# KiCad board V1.1.kicad_pcb
date: 2023-04-19; rev: 1.6.1; company: Antmicro Ltd; note: www.antmicro.com
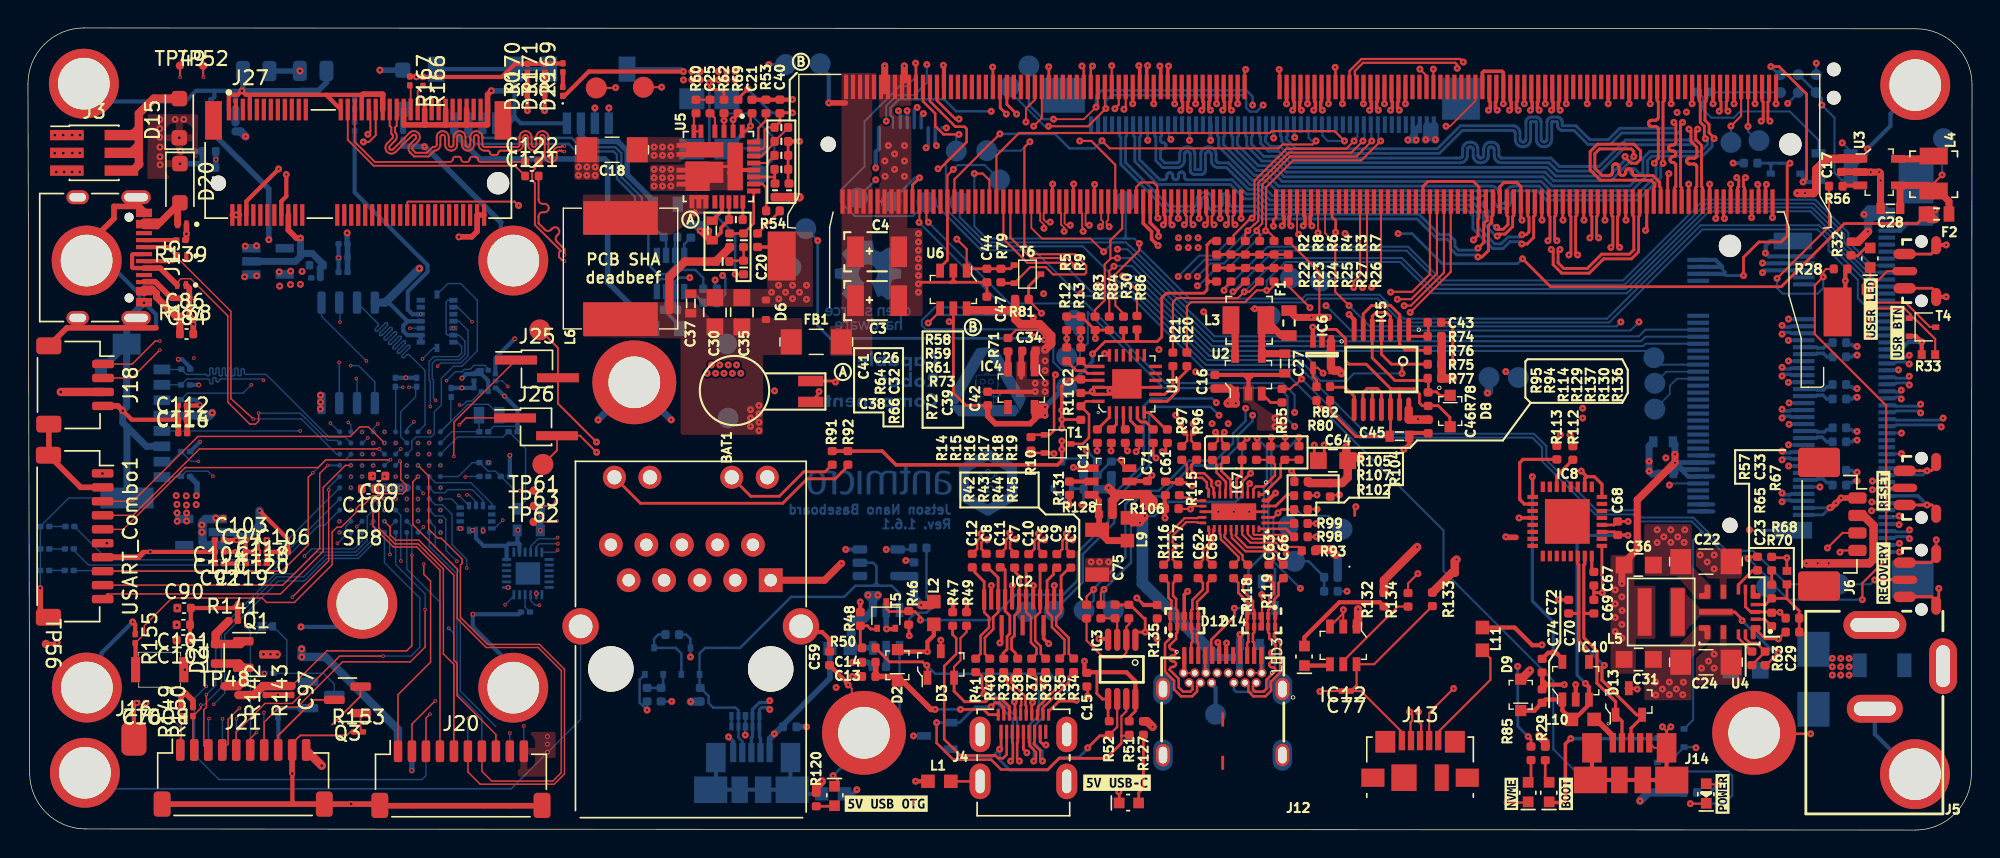
[diagram p0: board, top side]
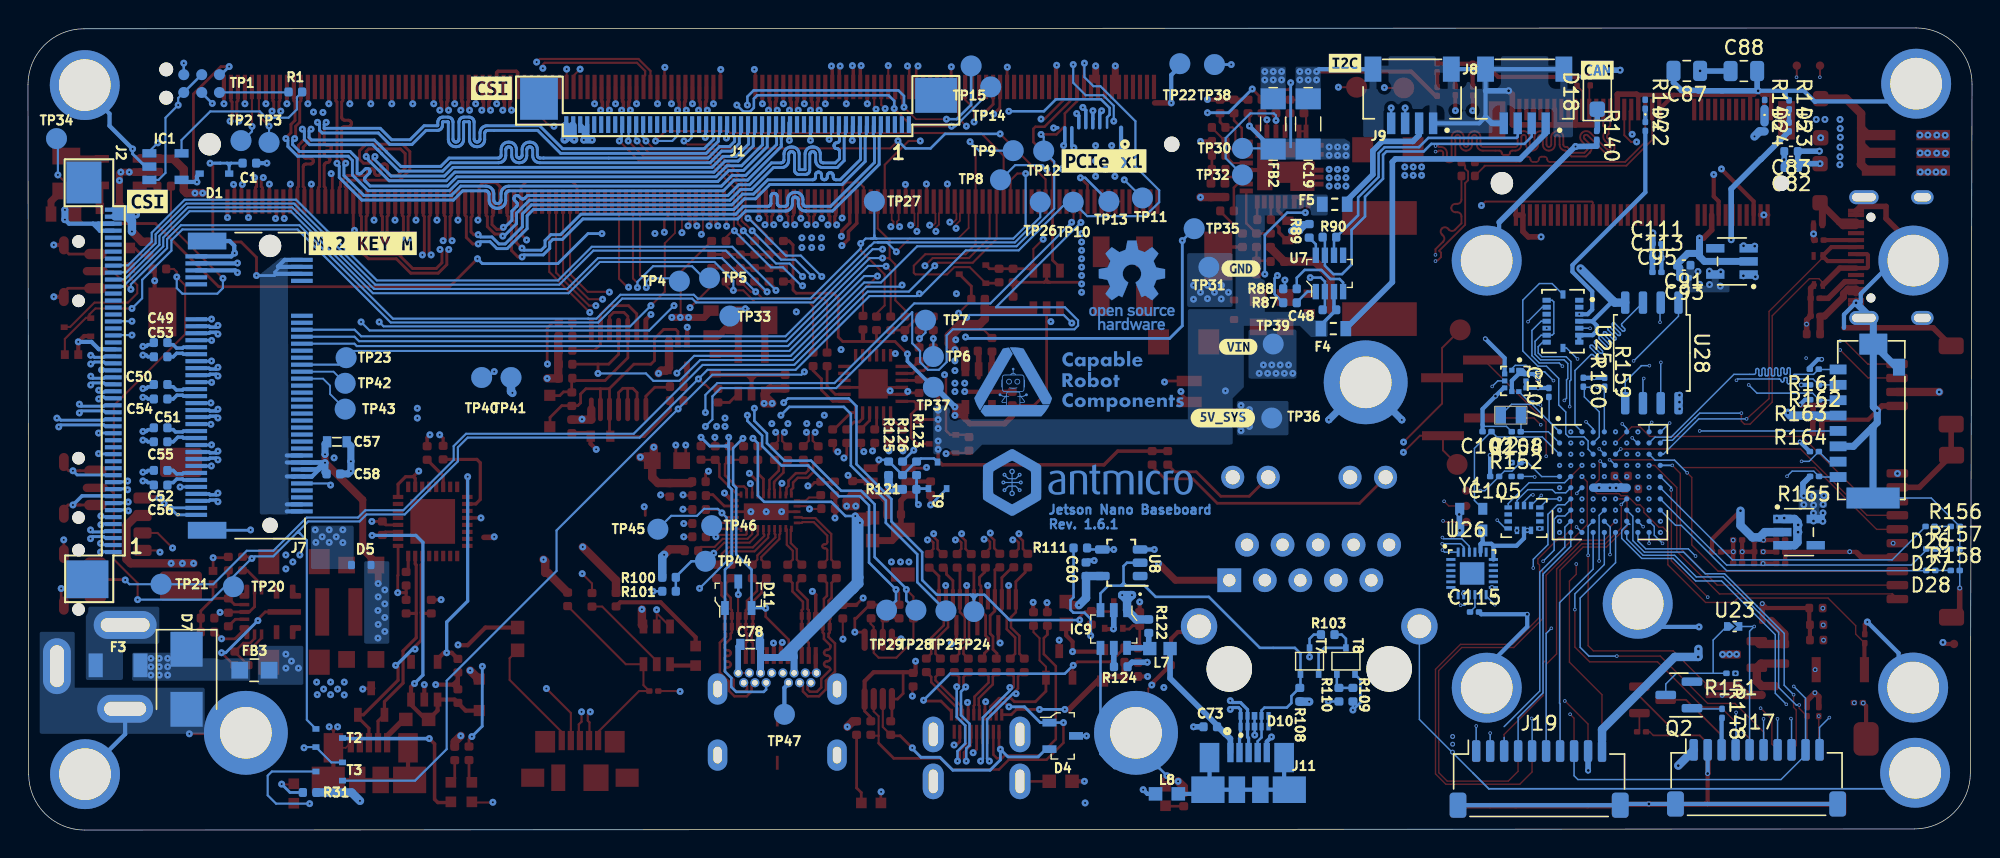
[diagram p1: board, bottom side, seen from below]

Outline 139.01 x 57.41 mm; copper layers: Top, In1.Cu (plane), In2.Cu (plane), In3_SIGNAL.Cu, In4_GND.Cu (plane), In5_3V3_SYS_SIGNAL.Cu, In6_GND.Cu (plane), Bottom. Coordinates in mm from the lower left corner of the outline.
Outline path: 0,53.39 0.12,4.08 arc(1.29,1.25) 4.12,0.08 134.96,0 arc(137.79,1.17) 138.96,4 139.01,53.35 arc(137.84,56.18) 135.01,57.35 4,57.41 arc(1.16,56.23) 0,53.39
Stack: Top 0.035mm / dielectric 0.1857mm FR4 er 4.5 / In1.Cu 0.035mm / dielectric 0.1857mm FR4 er 4.5 / In2.Cu 0.035mm / dielectric 0.1857mm FR4 er 4.5 / In3_SIGNAL.Cu 0.035mm / dielectric 0.1857mm FR4 er 4.5 / In4_GND.Cu 0.035mm / dielectric 0.1857mm FR4 er 4.5 / In5_3V3_SYS_SIGNAL.Cu 0.035mm / dielectric 0.1857mm FR4 er 4.5 / In6_GND.Cu 0.035mm / dielectric 0.1857mm FR4 er 4.5 / Bottom 0.035mm

## Placement (name value [footprint] x y rotation side)
BAT1  -  [MS621FE-FL11E]  55.97 31.39 90 top
BOOT1  ~  [LED0603]  108.77 2.67 90 top
BOOT2  TD-1183SN-1.5H(3x2.5)  [3x2.5PushButton]  9.42 11.48 180 top
C1  C_100n_0402  [0402-cap]  123.18 47.73 0 bottom
C2  C_100n_0402  [0402-cap]  75.29 31.77 270 top
C3  C_330u_KEMET_B  [KEMET_B]  59.17 37.89 0 top
C4  C_330u_KEMET_B  [KEMET_B]  59.17 41.39 0 top
C5  C_100n_0402  [0402-cap]  74.57 19.27 270 top
C6  C_100n_0402  [0402-cap]  72.57 19.27 270 top
C7  C_100n_0402  [0402-cap]  70.55 19.27 270 top
C8  C_100n_0402  [0402-cap]  68.52 19.29 270 top
C9  C_100n_0402  [0402-cap]  73.57 19.27 270 top
C10  C_100n_0402  [0402-cap]  71.56 19.27 270 top
C11  C_100n_0402  [0402-cap]  69.52 19.29 270 top
C12  C_100n_0402  [0402-cap]  67.52 19.29 270 top
C13  C_4u7_0402  [0402-cap]  60.12 10.99 0 top
C14  C_4u7_0402  [0402-cap]  60.12 12.01 0 top
C15  C_100n_0402  [0402-cap]  75.72 10.76 90 top
C16  C_2u2_0402  [0402-cap]  84.87 32.09 90 top
C17  C_2u2_0402  [0402-cap]  129.67 47.59 270 top
C18  C_10u_1206_50V  [1206-cap]  41.77 48.69 180 top
C19  C_10u_1206_50V  [1206-cap]  47.47 50.54 90 bottom
C20  C_270p_25V_0402  [0402-res]  52.17 42.21 90 top
C21  C_100n_0402_50V  [0402-cap]  51.77 51.79 90 top
C22  C_10u_1206_50V  [1206-cap]  119.98 19.21 180 top
C23  C_1u_0402  [0402-cap]  124.68 15.07 90 top
C24  C_10u_1206_50V  [1206-cap]  119.98 12.01 180 top
C25  C_100n_0402  [0402-cap]  48.77 51.79 90 top
C26  C_33n_0402  [0402-cap]  50.62 43.69 180 top
C27  C_10u_0603  [0603-cap]  89.87 33.39 270 top
C28  C_10u_0603  [0603-cap]  133.17 44.49 180 top
C29  C_100n_0402  [0402-cap]  124.22 12.29 90 top
C30  C_47u_0805  [0805-cap]  49.12 37.06 90 top
C31  C_10u_0805  [0805-cap]  115.18 12.21 0 top
C32  C_1n2_50V_0402  [0402-res]  51.17 42.21 90 top
C33  C_6p_0402  [0402-cap]  124.68 19.07 270 top
C34  C_2u2_0402  [0402-cap]  71.58 34.28 180 top
C35  C_47u_0805  [0805-cap]  51.04 37.06 90 top
C36  C_47u_0805  [0805-cap]  115.18 18.97 0 top
C37  C_10u_0603  [0603-cap]  47.39 37.69 90 top
C38  C_1n2_50V_0402  [0402-res]  49.67 40.69 0 top
C39  C_100n_0402  [0402-cap]  54.42 45.79 270 top
C40  C_1u_0402  [0402-cap]  53.77 51.79 90 top
C41  C_4u7_0603  [0603-cap]  48.92 42.91 270 top
C42  C_1u_0402  [0402-cap]  68.63 30.88 90 top
C43  C_47n_0402  [0402-cap]  100.57 36.34 180 top
C44  C_100n_0402  [0402-cap]  68.57 39.69 90 top
C45  C_10u_0603  [0603-cap]  98.07 28.19 180 top
C46  C_100n_0402  [0402-cap]  100.12 28.89 90 top
C47  C_100n_0402  [0402-cap]  68.57 37.69 270 top
C48  C_100n_0402  [0402-cap]  45.95 37.24 180 bottom
C49  C_100n_0402  [0402-cap]  129.53 34.89 0 bottom
C50  C_100n_0402  [0402-cap]  129.53 31.89 0 bottom
C51  C_100n_0402  [0402-cap]  129.53 28.79 0 bottom
C52  C_100n_0402  [0402-cap]  129.53 25.74 0 bottom
C53  C_100n_0402  [0402-cap]  129.53 33.87 0 bottom
C54  C_100n_0402  [0402-cap]  129.53 30.85 0 bottom
C55  C_100n_0402  [0402-cap]  129.53 27.79 0 bottom
C56  C_100n_0402  [0402-cap]  129.53 24.69 0 bottom
C57  C_10u_0603  [0603-cap]  116.92 27.79 0 bottom
C58  C_100n_0402  [0402-cap]  117.17 25.49 0 bottom
C59  C_100p_0402  [0402-cap]  57.32 12.29 270 top
C60  C_100n_0402  [0402-cap]  63.35 18.67 270 bottom
C61  C_100n_0402  [0402-cap]  81.33 24.45 270 top
C62  C_100n_0402  [0402-cap]  83.67 18.51 90 top
C63  C_100n_0402  [0402-cap]  88.73 18.51 90 top
C64  C_47u_0805  [0805-cap]  93.32 26.44 0 top
C65  C_100n_0402  [0402-cap]  84.68 18.51 90 top
C66  C_100n_0402  [0402-cap]  89.77 18.51 90 top
C67  C_100n_0402  [0402-cap]  111.97 17.99 90 top
C68  C_100n_0402  [0402-cap]  113.67 21.6 270 top
C69  C_47p_0402  [0402-cap]  111.97 15.99 270 top
C70  C_47p_0402  [0402-cap]  110.17 15.99 270 top
C71  C_10u_0402  [0402-cap]  80.04 24.49 90 top
C72  C_1u_0402  [0402-cap]  108.27 11.76 90 top
C73  C_4u7_0402  [0402-cap]  54.47 7.39 180 bottom
C74  C_2u2_0402  [0402-cap]  108.27 9.59 270 top
C75  100u  [1206]  76.45 19.89 90 top
C76  1u  [C_0201_0603Metric]  8.13 9.12 180 top
C77  120u  [C_0201_0603Metric]  94.26 9.95 180 top
C78  C_10u_0603  [0603-cap]  87.37 13.29 180 bottom
C82  1uF(0402 16V 10%)  [C_0402_1005Metric]  12.93 47.41 0 bottom
C83  1uF(0402 16V 10%)  [C_0402_1005Metric]  12.94 48.57 0 bottom
C84  1uF(0402 16V 10%)  [C_0402_1005Metric]  11.34 35.51 0 top
C86  100nF(0201 16V 10%)  [C_0201_0603Metric]  11.22 36.79 0 top
C87  22uF(0805 35V 20%)  [C_0805_2012Metric]  20.4 54.34 0 bottom
C88  22uF(0805 35V 20%)  [C_0805_2012Metric]  16.32 54.33 180 bottom
C90  1uF(0402 10V 10%)  [C_0402_1005Metric]  11.16 15.89 0 top
C91  1uF(0402 10V 10%)  [C_0402_1005Metric]  20.61 40.43 0 bottom
C92  100nF(0201 10V 10%)  [C_0201_0603Metric]  13.68 19.08 180 top
C93  100nF(0201 10V 10%)  [C_0201_0603Metric]  20.58 39.52 0 bottom
C94  100nF(0201 10V 10%)  [C_0201_0603Metric]  15.25 19.92 0 top
C95  100nF(0201 10V 10%)  [C_0201_0603Metric]  22.53 39.92 180 bottom
C97  100nF(0201 10.0V 10%)  [C_0201_0603Metric]  18.85 9.99 270 top
C99  2.2uF(0402 6.3V 10%)  [C_0402_1005Metric]  25.08 25.34 180 top
C100  2.2uF(0402 6.3V 10%)  [C_0402_1005Metric]  24.35 24.42 180 top
C101  4.7uF(0402 10V)  [C_0402_1005Metric]  11.11 14.69 180 top
C102  15pF(0201 10V)  [C_0201_0603Metric]  34.68 28.52 0 bottom
C103  100nF(0201 6.3V)  [C_0201_0603Metric]  15.24 20.75 0 top
C104  1uF(0201 6.3V)  [C_0201_0603Metric]  13.68 20.76 180 top
C105  100nF(0201 10V 10%)  [C_0201_0603Metric]  34.14 25.31 0 bottom
C106  100nF(0201 10V 10%)  [C_0201_0603Metric]  18.27 19.91 0 top
C107  12.0pF(0201 10V)  [C_0201_0603Metric]  30.26 31.32 90 bottom
C108  12.0pF(0201 10V)  [C_0201_0603Metric]  32.59 28.51 0 bottom
C109  2.2uF(0402 6.3V 10%)  [C_0402_1005Metric]  11.11 13.6 180 top
C110  10nF(0201 10V 10%)  [C_0201_0603Metric]  13.68 19.91 180 top
C111  100nF(0201 10V 10%)  [C_0201_0603Metric]  22.53 41.96 180 bottom
C112  100nF(0201 10V 10%)  [C_0201_0603Metric]  11.04 29.37 0 top
C113  100nF(0201 10V 10%)  [C_0201_0603Metric]  22.53 40.94 180 bottom
C114  100nF(0201 10V 10%)  [C_0201_0603Metric]  11.07 28.38 0 top
C115  100nF(0201 10V 10%)  [C_0201_0603Metric]  35.58 15.61 180 bottom
C116  100.0nF(0201 10V)  [C_0201_0603Metric]  11.04 30.39 180 top
C117  100nF(0201 10V)  [C_0201_0603Metric]  16.76 19.09 0 top
C118  100.0nF(0201 10V)  [C_0201_0603Metric]  16.76 20.76 180 top
C119  100nF(0201 10V 10%)  [C_0201_0603Metric]  15.26 19.08 180 top
C120  100nF(0201 10V)  [C_0201_0603Metric]  16.76 19.91 180 top
C121  100n  [C_0402_1005Metric]  36.03 46.82 0 top
C122  100n  [C_0402_1005Metric]  36.03 47.82 0 top
D1  diode  [SOD-323#2]  125.68 46.98 180 bottom
D2  1N4148WS  [SOD-323]  62.17 11.79 90 top
D3  PESD2USB5UV-TR  [SOT-23s]  65.27 11.86 90 top
D4  PESD2USB5UV-TR  [SOT-23s]  65.02 6.74 180 bottom
D5  ESD5B5_0ST1G  [SOD-523_NP]  115.18 18.97 180 bottom
D6  ESD5B5_0ST1G  [SOD-523_NP]  52.77 37.24 270 top
D7  SMBJ33A  [D_SMB]  127.67 10.79 270 bottom
D8  1N4148WS  [SOD-323]  101.69 29.99 270 top
D9  1N4148WS  [SOD-323]  106.74 9.68 90 top
D10  -  [TPD4E05U06_PASS]  51.3 7.79 180 bottom
D11  PESD2USB5UV-TR  [SOT-23s]  88.22 16.84 90 bottom
D12  -  [TPD4E05U06_PASS]  82.68 14.94 0 top
D13  PESD2USB5UV-TR  [SOT-23s]  114.47 9.2 90 top
D14  -  [TPD4E05U06_PASS]  88.18 14.94 180 top
D15  DSS34(3A 500mV)  [D_SOD-123F]  10.82 50.95 90 top
D16  PESD12VV1BL  [PESD12VV1BL_315]  11.02 43.36 180 top
D17  -  [PESD5V0F1BL]  11.01 41.09 180 top
D18  SMF30CA(30V)  [D_SOD-123F]  26.8 52.99 90 bottom
D19  -  [PESD5V0F1BL]  10.98 39.01 180 top
D20  DSS34(3A 500mV)  [D_SOD-123F]  10.87 46.3 270 top
D21  BZX584C9V1  [D_SOD-523]  13.43 12.62 90 top
D22  LED_Blue(0201)  [LED_0201_0603Metric]  23.36 50.36 270 bottom
D23  LED_Blue(0201)  [LED_0201_0603Metric]  13.09 50.33 270 bottom
D24  LED_Blue(0201)  [LED_0201_0603Metric]  14.84 50.33 270 bottom
D26  LED_RED(0201)  [LED_0201_0603Metric]  3 21.73 0 bottom
D27  LED_BLUE(0201)  [LED_0201_0603Metric]  2.96 20.12 0 bottom
D28  LED_Green(0201)  [LED_0201_0603Metric]  2.95 18.58 0 bottom
D29  PWR LED  [LED_0201_0603Metric]  38.24 52.87 90 top
D30  LED  [LED_0201_0603Metric]  35.7 52.9 90 top
D31  LED  [LED_0201_0603Metric]  36.95 52.91 90 top
F1  04671.25NR  [0603-Fuse-Littelfuse-0467]  90.17 36.29 90 top
F2  04671.25NR  [0603-Fuse-Littelfuse-0467]  136.47 44.09 0 top
F3  3413_0329_22  [1206]  132.57 11.79 180 bottom
F4  04671.25NR  [0603-Fuse-Littelfuse-0467]  45.67 35.89 180 bottom
F5  04671.25NR  [0603-Fuse-Littelfuse-0467]  45.57 44.79 180 bottom
FB1  74279221100  [1206-res]  56.37 34.94 0 top
FB2  74279221100  [1206-res]  49.97 50.54 270 bottom
FB3  74279220181  [0805-res]  122.82 11.44 180 bottom
IC1  AT24CS01-ST  [SOT23-5]  129.18 47.48 180 bottom
IC2  ~  [SON-15]  71.12 15.58 180 top
IC3  PCA9517ADP  [MSOP-8]  78.21 11.5 270 top
IC4  TPS7A0518PDBVT  [SOT-23-5]  71.03 31.63 180 top
IC5  74HC00PW  [TSSOP-14]  96.78 32.96 270 top
IC6  SN74LVC1G126DCKR  [R-PDSO-G5]  92.54 34.03 270 top
IC7  HD3SS3220  [RNH0030A]  86.22 22.78 270 top
IC8  ~  [QFN-32]  110.07 22.09 0 top
IC9  NCP380LSNAJAAT1G  [SOT-23-6]  61.37 14.39 0 bottom
IC10  TPS7A0518PDBVT  [SOT-23-5]  110.67 10.69 0 top
IC11  NCP380LSNAJAAT1G  [SOT-23-6]  77.4 24.95 90 top
IC12  NCP380LSNAJAAT1G  [SOT-23-6]  94.05 13.22 180 top
J1  WE_68715014522  [WE_68715014522_ONE-SIDE]  88.27 49.89 0 bottom
J2  -  [WE_68715014022]  133.57 32.79 90 bottom
J3  Conn_02x03_Odd_Even  [PinHeader_2x03_P1.27mm_Vertical_SMD]  4.73 48.47 0 top
J4  46756-1001  [HDMI_Micro-D_Molex_46765-1x01]  71.18 3.48 0 top
J5  -  [DC_SOCKET]  132.06 0.98 0 top
J6  533980471  [Molex_PicoBlade_53398-0471_1x04-1MP_P1.25mm_Vertical]  129.57 21.89 270 top
J7  ~  [MDT580M01001]  123.2 31.81 0 bottom
J8  -  [SM04B-SRSS-TB-LF-SN]  31.99 50.59 0 bottom
J9  -  [SM04B-SRSS-TB-LF-SN]  40.04 50.59 0 bottom
J10  -  [SI-51005-F]  47.39 18.39 0 top
J11  ~  [CON-Molex-047346-0001]  51.73 4.28 180 bottom
J12  632723300011  [WE_632723300011]  85.43 6.86 0 top
J13  USB_A  [USB_Micro-B_Molex_47346-0001]  99.54 4.94 0 top
J14  ~  [CON-Molex-047346-0001]  114.63 4.98 0 top
J15  USB_C_Receptacle_USB2.0  [USB_C_Small]  4.63 40.97 270 top
J16  GND  [Conn_1pin_Power]  7.55 6.52 0 top
J17  UART_Combo  [01x10_MP_sh1.0_Hori]  15.41 3.74 180 bottom
J18  Upper computer connector  [01x04_MP_sh1.0_Hori]  3.37 31.86 270 top
J19  ESC  [01x10_MP_sh1.0_Hori]  30.96 3.66 180 bottom
J20  ESC  [01x10_MP_sh1.0_Hori]  30.96 3.64 0 top
J21  ESC  [01x10_MP_sh1.0_Hori]  15.39 3.73 0 top
J23  Micro_SD_Card  [TF-SMD_TF-021B-H265]  6.66 28.89 270 bottom
J25  Conn_01x02_Pin  [PinHeader_1x02_P1.27mm_Vertical_SMD_Pin1Left]  36.4 33.01 0 top
J26  Conn_01x02_Pin  [PinHeader_1x02_P1.27mm_Vertical_SMD_Pin1Left]  36.33 28.86 0 top
J27  Bus_M.2_Socket_E  [TE_2199119-4]  23.62 46.3 0 top
kibuzzard-63D93AC1  G***  [kibuzzard-63D93AC1]  130.47 44.99 180 bottom
kibuzzard-63D93AC1#2  G***  [kibuzzard-63D93AC1]  105.87 53.09 180 bottom
kibuzzard-63D93ADB  G***  [kibuzzard-63D93ADB]  62.07 47.89 180 bottom
kibuzzard-63D93AF6  G***  [kibuzzard-63D93AF6]  26.8 54.39 180 bottom
kibuzzard-63D93B6A  G***  [kibuzzard-63D93B6A]  52.47 34.59 180 bottom
kibuzzard-63D93B07  G***  [kibuzzard-63D93B07]  44.84 54.89 180 bottom
kibuzzard-63D93B47  G***  [kibuzzard-63D93B47]  52.27 40.19 180 bottom
kibuzzard-63D93B77  G***  [kibuzzard-63D93B77]  53.57 29.49 180 bottom
kibuzzard-63D93BB4  G***  [kibuzzard-63D93BB4]  115.07 41.99 180 bottom
kibuzzard-63D93C4B  G***  [kibuzzard-63D93C4B]  77.87 3.39 0 top
kibuzzard-63D93C7A  G***  [kibuzzard-63D93C7A]  106.07 2.59 90 top
kibuzzard-63D93C36  G***  [kibuzzard-63D93C36]  61.37 1.89 0 top
kibuzzard-63D93C97  G***  [kibuzzard-63D93C97]  109.97 2.59 90 top
kibuzzard-63D93CC5  G***  [kibuzzard-63D93CC5]  121.17 2.59 90 top
kibuzzard-63D93CF4  G***  [kibuzzard-63D93CF4]  131.77 37.29 90 top
kibuzzard-63D93D1C  G***  [kibuzzard-63D93D1C]  132.67 24.29 90 top
kibuzzard-63D93D10  G***  [kibuzzard-63D93D10]  133.67 35.59 90 top
kibuzzard-63D93D33  G***  [kibuzzard-63D93D33]  132.67 18.39 90 top
L1  BLM18SG121TN1D  [0603]  65.17 3.49 0 top
L2  BLM18SG121TN1D  [0603]  64.77 15.54 270 top
L3  -  [LQH32PN2R2NN0L]  87.27 36.49 0 top
L4  -  [LQH32PN2R2NN0L]  136.27 46.99 270 top
L5  XFL4020-222MEC  [XFL4015-122MEC]  116.78 15.61 0 top
L6  IHLP3232DZER3R3M01  [IHLP3232DZ]  42.37 40.19 270 top
L7  BLM18SG121TN1D  [0603#2]  58.07 12.99 180 bottom
L8  BLM18SG121TN1D  [0603]  57.57 2.59 180 bottom
L9  BLM18SG121TN1D  [0603]  78.62 21.53 90 top
L10  BLM18SG121TN1D  [0603]  111.18 7.92 180 top
L11  BLM18SG121TN1D  [0603]  104 13.68 270 top
LED1  ~  [LED0603]  57.67 2.49 270 top
LED2  ~  [LED0603]  78.67 1.94 0 top
LED3  ~  [LED0603]  91.27 12.42 90 top
M1  ~  [jetson-nano-connector]  123.42 7.08 0 top
M2  ~  [jetson-nano-module]  123.41 6.95 0 top
M2#2  ~  [jetson-nano-module]  123.41 6.95 0 top
N1  antmicro_logo  [antmicro-logo_scaled_15mm]  62.78 24.81 180 bottom
N2  crc_logo  [CRC_logo_15mm]  63.97 32.09 180 bottom
N3  oshw_logo  [oshw-logo]  60.07 38.99 180 bottom
NVME1  ~  [LED0603]  107.27 2.67 90 top
PWR1  ~  [LED0603]  120 2.57 90 top
Q1  AP40P05  [SOT-23]  16.33 12.57 0 top
Q2  SS8050(NPN BEC)  [SOT-23]  20.96 9.67 0 bottom
Q3  SS8050(NPN BEC)  [SOT-23]  22.85 9.32 180 top
R1  R_0R_0402  [0402-res]  119.89 52.83 0 bottom
R2  R_0R_0402  [0402-res]  84.99 41.67 90 top
R3  R_2k_0402  [0402-res]  89.1 41.67 90 top
R4  R_2k_0402  [0402-res]  88.07 41.67 90 top
R5  R_2k_0402  [0402-res]  74.27 36.26 270 top
R6  R_2k_0402  [0402-res]  87.04 41.67 90 top
R7  R_0R_0402  [0402-res]  90.12 41.67 90 top
R8  R_2k_0402  [0402-res]  86.02 41.67 90 top
R9  R_2k_0402  [0402-res]  75.29 36.26 270 top
R10  R_100k_0402  [0402-res]  71.72 27.64 90 top
R11  R_10k_0402  [0402-res]  75.29 29.85 90 top
R12  R_0R_0402  [0402-res]  74.27 34.05 90 top
R13  R_0R_0402  [0402-res]  75.29 34.05 90 top
R14  R_0R_0402  [0402-res]  76.46 28.19 90 top
R15  R_0R_0402  [0402-res]  77.46 28.19 90 top
R16  R_0R_0402  [0402-res]  78.46 28.19 90 top
R17  R_0R_0402  [0402-res]  79.46 28.19 90 top
R18  R_0R_0402  [0402-res]  80.46 28.19 90 top
R19  R_0R_0402  [0402-res]  81.47 28.19 90 top
R20  R_0R_0402  [0402-res]  82.87 33.69 270 top
R21  R_0R_0402  [0402-res]  81.87 33.69 270 top
R22  R_0R_0402  [0402-res]  84.99 39.74 270 top
R23  R_2k_0402  [0402-res]  86.02 39.74 270 top
R24  R_2k_0402  [0402-res]  87.05 39.74 270 top
R25  R_2k_0402  [0402-res]  88.07 39.74 270 top
R26  R_0R_0402  [0402-res]  90.12 39.74 270 top
R27  R_2k_0402  [0402-res]  89.1 39.74 270 top
R28  R_100k_0402  [0402-res]  129.61 40.16 0 top
R29  R_470R_0402  [0402-res]  108.49 5.48 90 top
R30  R_100k_0402  [0402-res]  78.34 36.26 90 top
R31  R_470R_0402  [0402-res]  118.87 2.69 180 bottom
R32  R_470R_0402  [0402-res]  130.36 41.62 90 top
R33  100k  [0402]  135.89 34.03 180 top
R34  R_5R6_0402  [0402-res]  74.77 11.79 270 top
R35  R_5R6_0402  [0402-res]  73.77 11.79 270 top
R36  R_5R6_0402  [0402-res]  72.77 11.78 270 top
R37  R_5R6_0402  [0402-res]  71.77 11.78 270 top
R38  R_5R6_0402  [0402-res]  70.77 11.78 270 top
R39  R_5R6_0402  [0402-res]  69.77 11.78 270 top
R40  R_5R6_0402  [0402-res]  68.77 11.78 270 top
R41  R_5R6_0402  [0402-res]  67.77 11.78 270 top
R42  R_0R_0402  [0402-res]  75.7 15.64 90 top
R43  R_0R_0402  [0402-res]  76.72 15.64 90 top
R44  R_2k_0402  [0402-res]  77.74 15.64 270 top
R45  R_2k_0402  [0402-res]  78.72 15.64 270 top
R46  R_2k_0402  [0402-res]  62.97 15.19 90 top
R47  R_0R_0402  [0402-res]  66.12 15.11 270 top
R48  R_2k_0402  [0402-res]  59.52 15.11 90 top
R49  R_2k_0402  [0402-res]  67.11 15.11 90 top
R50  R_0R_0402  [0402-res]  60.12 13.04 180 top
R51  R_2k_0402  [0402-res]  78.74 7.3 270 top
R52  R_2k_0402  [0402-res]  77.32 7.3 270 top
R53  R_2k_0402  [0402-res]  52.77 51.79 90 top
R54  R_316k_0402  [0402-res]  53.27 44.31 0 top
R55  R_10k_0402  [0402-res]  89.67 31.09 90 top
R56  R_10k_0402  [0402-res]  129.27 46.09 180 top
R57  R_10k_0402  [0402-res]  123.67 19.07 90 top
R58  R_0R_0402  [0402-res]  53.87 50.29 180 top
R59  R_60k4_1%_0402  [0402-res]  53.87 49.29 0 top
R60  R_3R3_0402  [0402-res]  47.77 51.79 270 top
R61  R_26k7_0402  [0402-res]  53.87 48.29 0 top
R62  R_100k_0402  [0402-res]  49.77 51.79 90 top
R63  R_100R_0402  [0402-res]  123.27 12.29 270 top
R64  R_0R_0402  [0402-res]  50.17 42.21 90 top
R65  R_1k_0402  [0402-res]  124.68 17.07 270 top
R66  R_8k66_1%_0402  [0402-res]  51.17 40.26 90 top
R67  R_100k_1%_0402  [0402]  125.78 18.07 270 top
R68  R_44k2_0402  [0402-res]  126.17 15.17 180 top
R69  R_100k_0402  [0402-res]  50.77 51.79 270 top
R70  R_0R_0402  [0402-res]  126.17 14.17 0 top
R71  R_0R_0402  [0402-res]  70.08 34.73 90 top
R72  R_52k3_0402  [0402-res]  53.42 45.79 90 top
R73  R_10k_0402  [0402-res]  53.87 47.29 0 top
R74  R_200k_0402  [0402-res]  100.57 35.34 0 top
R75  R_200k_0402  [0402-res]  100.57 33.34 0 top
R76  R_1k_0402  [0402-res]  100.57 34.34 180 top
R77  R_1k_0402  [0402-res]  100.57 32.34 180 top
R78  R_470k_0402  [0402-res]  100.12 30.84 270 top
R79  R_10k_0402  [0402-res]  69.57 39.69 270 top
R80  R_1k_0402  [0402-res]  92.62 30.74 0 top
R81  R_10k_0402  [0402-res]  71.07 37.99 180 top
R82  R_0R_0402  [0402-res]  92.62 31.74 0 top
R83  R_10k_0402  [0402-res]  76.3 36.26 270 top
R84  R_10k_0402  [0402-res]  77.32 36.26 270 top
R85  R_220R_0402  [0402-res]  107.47 5.49 90 top
R86  R_10k_0402  [0402-res]  79.3 36.32 270 top
R87  R_0R_0402  [0402-res]  48.77 37.74 0 bottom
R88  R_0R_0402  [0402-res]  48.77 38.74 0 bottom
R89  R_0R_0402  [0402-res]  47.4 42.89 270 bottom
R90  R_120R_0402  [0402-res]  45.95 42.44 0 bottom
R91  R_220R_0402  [0402-res]  57.51 26.64 90 top
R92  R_220R_0402  [0402-res]  58.63 26.64 270 top
R93  R_200k_0402  [0402-res]  91.57 19.99 0 top
R94  R_0R_0402  [0402-res]  85.63 26.98 270 top
R95  R_0R_0402  [0402-res]  84.69 26.97 270 top
R96  R_0R_0402  [0402-res]  83.57 26.99 270 top
R97  R_0R_0402  [0402-res]  82.5 26.98 270 top
R98  R_0R_0402  [0402-res]  91.02 20.99 180 top
R99  R_0R_0402  [0402-res]  91.02 21.94 180 top
R100  R_0R_0402  [0402-res]  93.17 18.09 0 bottom
R101  R_0R_0402  [0402-res]  93.17 17.09 180 bottom
R102  R_0R_0402  [0402-res]  91.02 22.94 180 top
R103  R_0R_0402  [0402-res]  46.07 13.99 0 bottom
R104  R_10k_0402  [0402-res]  93.12 24.35 270 top
R105  R_2k_0402  [0402-res]  91.04 24.94 180 top
R106  R_0R_0402  [0402-res]  81.79 23.01 0 top
R107  R_0R_0402  [0402-res]  91.02 23.94 180 top
R108  R_10k_0402  [0402-res]  48.07 9.69 270 bottom
R109  R_2k_0402  [0402-res]  44.27 9.69 270 bottom
R110  R_10k_0402  [0402-res]  45.27 9.69 90 bottom
R111  R_10k_0402  [0402-res]  63.76 20.19 180 bottom
R112  R_22R_0402  [0402-res]  110.47 26.99 90 top
R113  R_22R_0402  [0402-res]  109.32 27.01 90 top
R114  R_909k_0402  [0402-res]  86.82 26.98 90 top
R115  R_200k_0402  [0402-res]  82.32 24.45 90 top
R116  R_0R_0402  [0402-res]  81.21 18.51 270 top
R117  R_0R_0402  [0402-res]  82.22 18.51 270 top
R118  R_0R_0402  [0402-res]  86.21 18.51 270 top
R119  R_0R_0402  [0402-res]  87.22 18.51 270 top
R120  R_470R_0402  [0402-res]  56.37 2.19 90 top
R121  R_100k_0402  [0402-res]  75.97 24.39 0 bottom
R122  R_0R_0402  [0402-res]  58.87 14.59 270 bottom
R123  R_0R_0402  [0402-res]  75.47 25.89 90 bottom
R124  R_10k_0402  [0402-res]  60.87 11.69 180 bottom
R125  R_100k_0402  [0402-res]  77.47 25.89 270 bottom
R126  R_10k_0402  [0402-res]  76.47 25.89 270 bottom
R127  R_470R_0402  [0402-res]  79.76 7.3 90 top
R128  R_0R_0402  [0402-res]  77.07 22.59 180 top
R129  R_0R_0402  [0402-res]  87.84 26.98 90 top
R130  R_0R_0402  [0402-res]  89.87 26.98 90 top
R131  R_10k_0402  [0402-res]  74.47 24.46 270 top
R132  R_470R_0402  [0402-res]  96.96 16.49 90 top
R133  R_0R_0402  [0402-res]  100.42 16.51 270 top
R134  R_10k_0402  [0402-res]  98.68 16.48 90 top
R135  R_10k_0402  [0402-res]  80.75 15.63 270 top
R136  R_0R_0402  [0402-res]  90.88 26.99 270 top
R137  R_0R_0402  [0402-res]  88.85 26.98 270 top
R138  5.1kR(0201)  [R_0201_0603Metric]  11.22 38.06 180 top
R139  5.1kR(0201)  [R_0201_0603Metric]  10.93 42.23 180 top
R140  100kR(0201 50V)  [R_0201_0603Metric]  26.84 49.72 270 bottom
R141  100kR(0201 50V)  [R_0201_0603Metric]  14.68 14.97 0 top
R142  200.0kR(0201 50V)  [R_0201_0603Metric]  15.04 9.99 270 top
R143  22.0kR(0201 50V)  [R_0201_0603Metric]  16.98 9.99 270 top
R144  10kR(0201)  [R_0201_0603Metric]  23.37 51.95 270 bottom
R145  10kR(0201)  [R_0201_0603Metric]  13.08 51.91 270 bottom
R146  10kR(0201)  [R_0201_0603Metric]  14.83 51.94 270 bottom
R148  1kR(0201)  [R_0201_0603Metric]  17.88 8.35 270 bottom
R149  4.7kR(0201 25V)  [R_0201_0603Metric]  10.96 8.48 90 top
R150  4.7kR(0201 25V)  [R_0201_0603Metric]  11.8 8.48 90 top
R151  10kR(0201)  [R_0201_0603Metric]  17.24 11.22 0 bottom
R152  100R(0201)  [R_0201_0603Metric]  32.6 25.31 180 bottom
R153  1kR(0201)  [R_0201_0603Metric]  23.63 7.03 0 top
R154  10kR(0201)  [R_0201_0603Metric]  32.61 26.3 180 bottom
R155  10kR(0201)  [R_0201_0603Metric]  7.67 13.7 270 top
R156  10.0kR(0201)  [R_0201_0603Metric]  1.2 21.73 180 bottom
R157  10.0kR(0201)  [R_0201_0603Metric]  1.21 20.12 180 bottom